# Altium PCB 键盘 - 俊杰.PcbDoc (part 1 of 4)
Units mil, origin at the board's own origin, x right, y up, seen from the top; angles counter-clockwise.
Board outline 17460 x 5880 mil, 2 copper layers (Top Layer, Bottom Layer); 278 components, 283 nets, 1577 pads, 1412 vias.
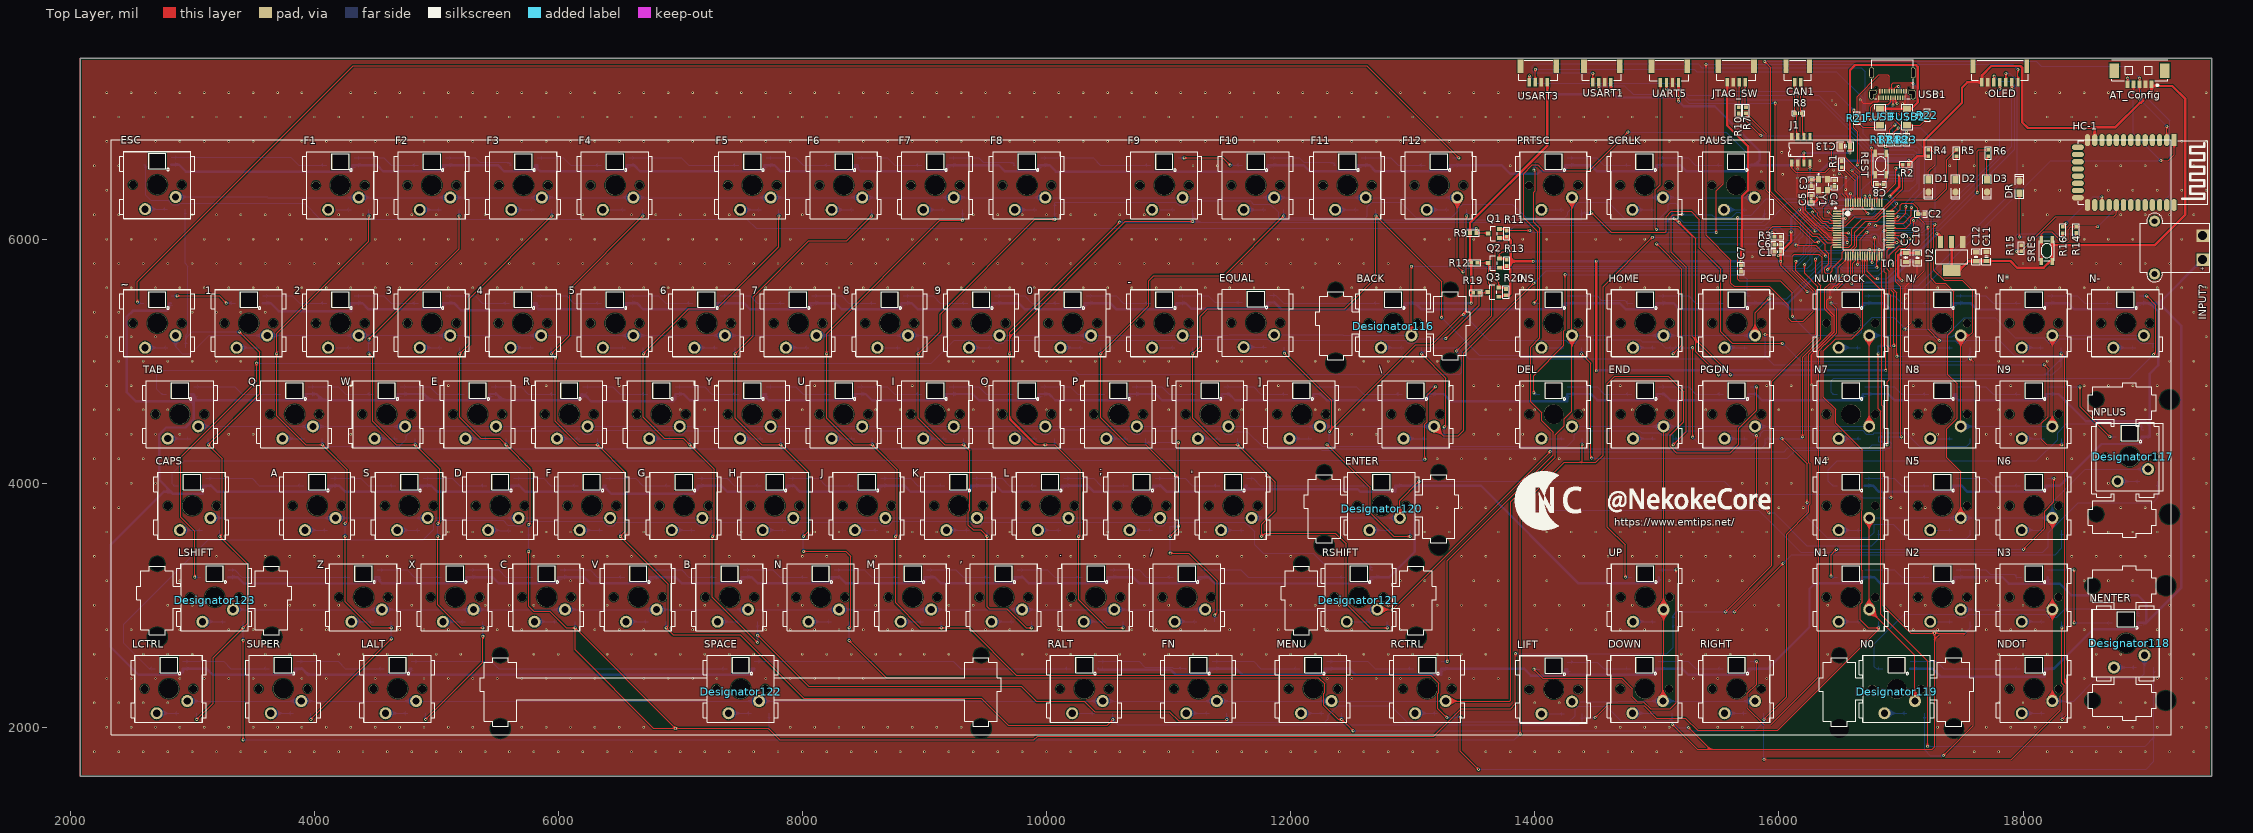
[diagram p0: Top Layer view]
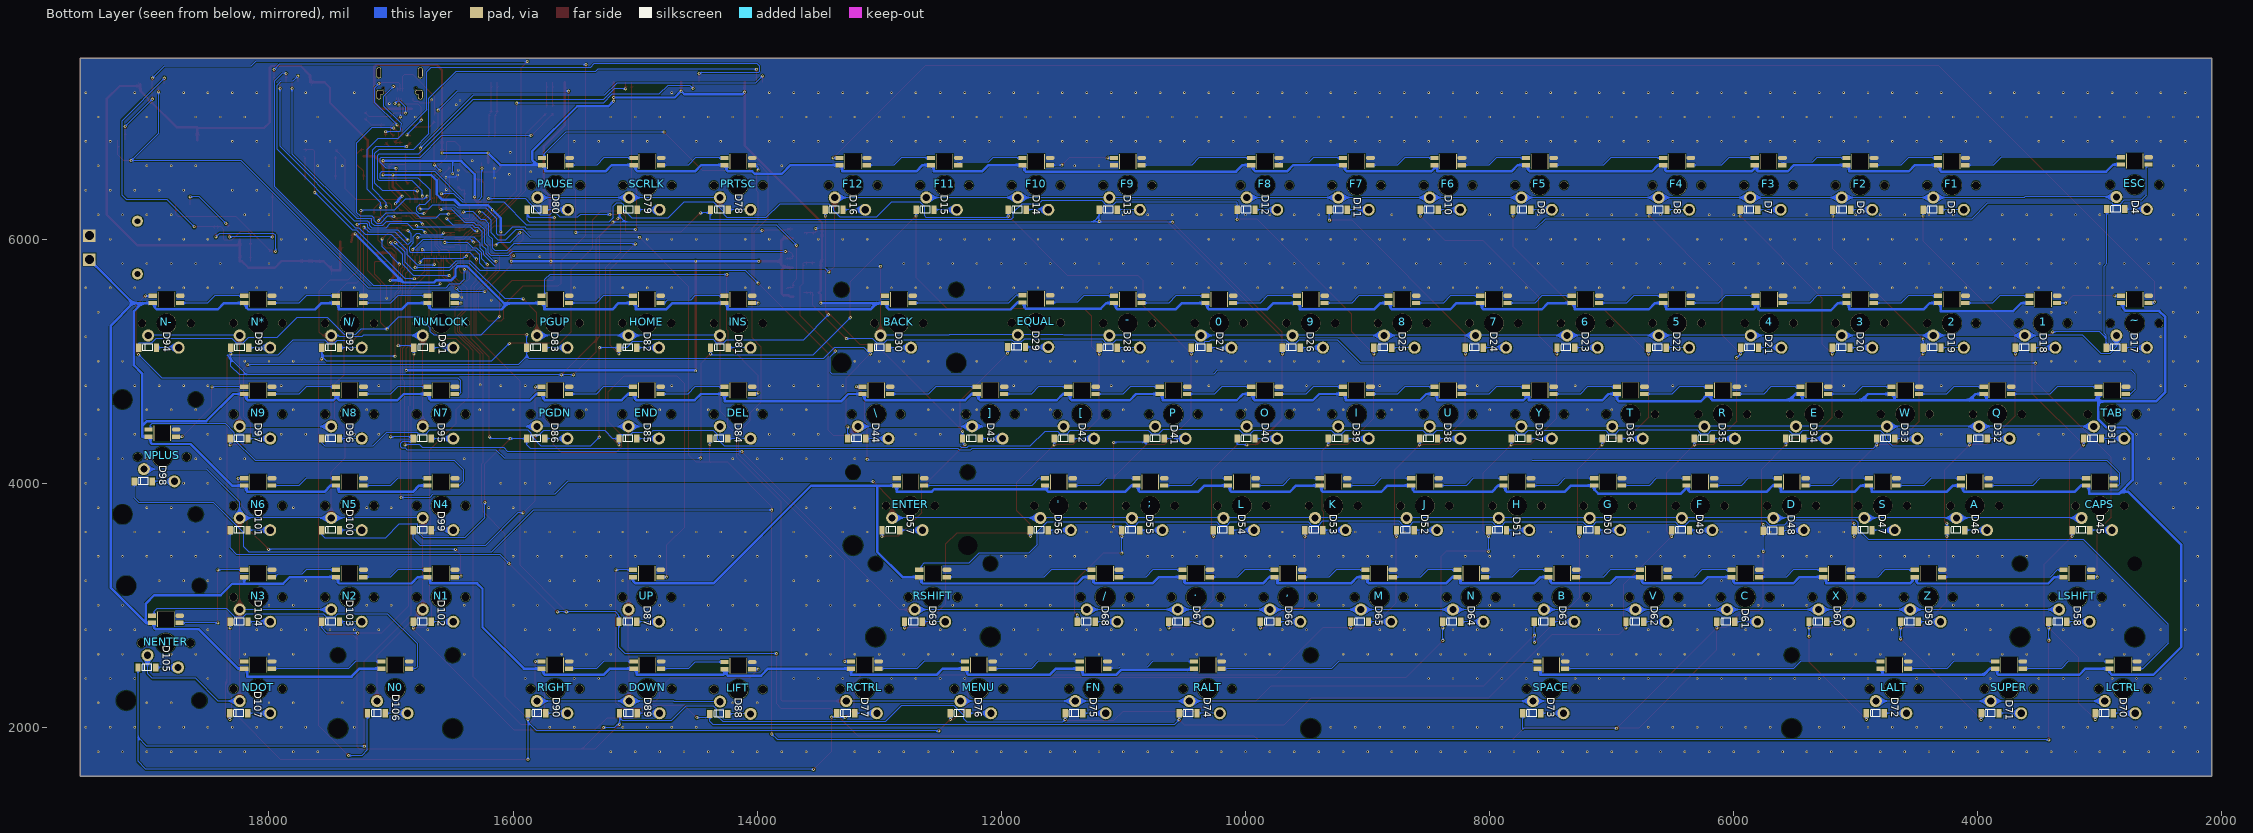
[diagram p1: Bottom Layer view, seen from below]

## Layer stack, top to bottom
Top Solder: solder mask 0.4, Solder Resist, Dk 3.5
Top Layer: signal copper 1.4
Dielectric 1: dielectric 12.6, FR-4, Dk 4.8
Bottom Layer: signal copper 1.4
Bottom Solder: solder mask 0.4, Solder Resist, Dk 3.5

## Board outline
2085,1600 2085,7480 19545,7480 19545,1600

## Design rules (kind name [scope] priority, off if disabled: settings)
Clearance [All] p1: gap=6
HoleSize [All] p1: absolutevalues=TRUE maxlimit=1000 minlimit=1 maxpercent=80.000 minpercent=20.000
HoleToHoleClearance [All] p1: gap=0 allowstackedmicrovias=TRUE
MinimumSolderMaskSliver [All] p1: minsoldermaskwidth=0
PolygonConnect [All] p1: connectstyle=Direct reliefconductorwidth=10 reliefentries=4 polygonreliefangle="90 Angle" airgapwidth=10
RoutingVias [All] p1: holewidth=12.01 width=24.02 viastyle="Through Hole" minholewidth=12.01 minwidth=24.02 maxholewidth=50 maxwidth=50 viatemplateguid#1={4AA300DE-D677-4466-8051-0518374BE832} viatemplatename#1=v61h30
SilkToSilkClearance [All] p1: silktosilkclearance=0
SilkToSolderMaskClearance [IsPad] p1: minsilkscreentomaskgap=0 clearancetoexposedcopper=TRUE
SolderMaskExpansion [All] p1: expansion=4
Width Width_2 [InNet('L_VCC')] p1: maxlimit=20 minlimit=20 preferedwidth=20
Width Width_1 [InNet('VCC3V3')] p2: maxlimit=20 minlimit=10 preferedwidth=20
Width [All] p3: maxlimit=10 minlimit=10 preferedwidth=10
25 further rules are at their usual default settings.

## Classes and differential pairs
component class 主板: C1 C2 C3 C4 C5 C6 C7 C8 C9 C10 C11 C12 C13 CAN1 D1 D2 D3 INPUT? J1 JTAG_SW OLED Q1 Q2 Q3 R1 R2 R3 R4 R5 R6 R7 R8 R9 R10 R11 R12 R13 R19 R20 RES REST U1 U2 UART5 USART1 USART3 Y1
component class 蓝牙和数据: AT_Config DR FUSB FUSB2 HC-1 R14 R15 R16 R17 R18 R21 R22 R23 R24 SRES USB1
component class 键盘扫描: 0 1 2 3 4 5 6 7 8 9 ' , - . / ; [ \ ] A B BACK C CAPS D D4 D5 D6 D7 D8 D9 D10 D11 D12 D13 D14 D15 D16 D17 D18 D19 D20 D21 D22 D23 D24 D25 D26 D27 D28 D29 D30 D31 D32 D33 D34 D35 D36 D37 D38 D39 D40 D41 D42 D43 D44 D45 D46 D47 D48 D49 D50 D51 D52 D53 D54 D55 D56 D57 D58 D59 D60 D61 D62 D63 D64 D65 D66 D67 D68 D69 D70 D71 D72 D73 D74 D75 D76 D77 D78 D79 D80 D81 D82 D83 D84 D85 D86 D87 D88 D89 D90 D91 D92 D93 D94 D95 D96 D97 D98 D99 D100 D101 D102 D103 D104 D105 D106 D107 DEL DOWN E END ENTER EQUAL ESC F F1 F2 F3 F4 F5 F6 F7 F8 F9 F10 F11 F12 FN G H HOME I INS J K L LALT LCTRL LIFT LSHIFT M MENU N N0 N1 N2 N3 N4 N5 N6 N7 N8 N9 N* N- N/ NDOT NENTER NPLUS NUMLOCK O P PAUSE PGDN PGUP PRTSC Q R RALT RCTRL RIGHT RSHIFT S SCRLK SPACE SUPER T TAB U UP V W X Y Z ~

## Components (designator, comment, footprint, x,y, rotation, side; value= is the part's Value field where it differs from the comment)
0 "Comment" MX_SW-1 10215,5310 r0 top locked
1 "Comment" MX_SW-1 3465,5310 r0 top locked
2 "Comment" MX_SW-1 4215,5310 r0 top locked
3 "Comment" MX_SW-1 4965,5310 r0 top locked
4 "Comment" MX_SW-1 5710,5310 r0 top locked
5 "Comment" MX_SW-1 6465,5310 r0 top locked
6 "Comment" MX_SW-1 7215,5310 r0 top locked
7 "Comment" MX_SW-1 7965,5310 r0 top locked
8 "Comment" MX_SW-1 8715,5310 r0 top locked
9 "Comment" MX_SW-1 9465,5310 r0 top locked
' "Comment" MX_SW-1 11530,3815 r0 top locked
, "Comment" MX_SW-1 9650,3065 r0 top locked
- "Comment" MX_SW-1 10965,5310 r0 top locked
. "Comment" MX_SW-1 10405,3065 r0 top locked
/ "Comment" MX_SW-1 11150,3065 r0 top locked
; "Comment" MX_SW-1 10780,3815 r0 top locked
[ "Comment" MX_SW-1 11340,4565 r0 top locked
\ "Comment" MX_SW-1 13025,4565 r0 top locked
] "Comment" MX_SW-1 12090,4565 r0 top locked
A "Comment" MX_SW-1 4025,3815 r0 top locked
AT_Config "HDR1x4" "MX 1.25-WS-5P" 18955,7380 r180 top
B "Comment" MX_SW-1 7405,3065 r0 top locked
BACK "Comment" MX_SW-1 12840,5310 r0 top locked
C "Comment" MX_SW-1 5905,3065 r0 top locked
C1 "C 0603_L" "C 0603_L" 15989.41,5895 r180 top
C2 "C 0603_L" "C 0603_L" 17165,6205 r0 top
C3 "C 0603_L" "C 0603_L" 16265,6460 r270 top
C4 "C 0603_L" "C 0603_L" 16455,6455.59 r270 top
C5 "C 0603_L" "C 0603_L" 16265,6330.59 r90 top
C6 "C 0603_L" "C 0603_L" 15990,5955 r0 top
C7 "C 0603_L" "C 0603_L" 15690,5760 r270 top
C8 "C 0603_L" "C 0603_L" 16830,6450 r180 top
C9 "C 0805_L" "C 0805_L" 17040,5850 r90 top
C10 "C 0805_L" "C 0805_L" 17135,5847.4 r90 top
C11 "C 0805_L" "C 0805_L" 17700,5857.6 r270 top
C12 "C 0805_L" "C 0805_L" 17615,5855 r270 top
C13 "C 0805_L" "C 0805_L" 16545,6760 r180 top
CAN1 "HDR1x2" GH1.25-立贴-2P 16179.21,7285 r180 top
CAPS "Comment" MX_SW-1 3000,3815 r0 top locked
D "Comment" MX_SW-1 5525,3815 r0 top locked
D1 "LED" "LED 0805R" 17225,6435 r270 top
D2 "LED" "LED 0805R" 17447.5,6435 r270 top
D3 "LED" "LED 0805R" 17705,6435 r270 top
D4 "LL4148" LL-34_L3.7-W1.6-RD 2870,6245 r180 bottom locked
D5 "LL4148" LL-34_L3.7-W1.6-RD 4375,6240 r180 bottom locked
D6 "LL4148" LL-34_L3.7-W1.6-RD 5115,6240 r180 bottom locked
D7 "LL4148" LL-34_L3.7-W1.6-RD 5875,6240 r180 bottom locked
D8 "LL4148" LL-34_L3.7-W1.6-RD 6620,6240 r180 bottom locked
D9 "LL4148" LL-34_L3.7-W1.6-RD 7735,6240 r180 bottom locked
D10 "LL4148" LL-34_L3.7-W1.6-RD 8495,6240 r180 bottom locked
D11 "LL4148" LL-34_L3.7-W1.6-RD 9240,6240 r180 bottom locked
D12 "LL4148" LL-34_L3.7-W1.6-RD 9995,6240 r180 bottom locked
D13 "LL4148" LL-34_L3.7-W1.6-RD 11125,6240 r180 bottom locked
D14 "LL4148" LL-34_L3.7-W1.6-RD 11870,6240 r180 bottom locked
D15 "LL4148" LL-34_L3.7-W1.6-RD 12625,6240 r180 bottom locked
D16 "LL4148" LL-34_L3.7-W1.6-RD 13370,6240 r180 bottom locked
D17 "LL4148" LL-34_L3.7-W1.6-RD 2875,5110 r180 bottom locked
D18 "LL4148" LL-34_L3.7-W1.6-RD 3620,5110 r180 bottom locked
D19 "LL4148" LL-34_L3.7-W1.6-RD 4375,5110 r180 bottom locked
D20 "LL4148" LL-34_L3.7-W1.6-RD 5120,5110 r180 bottom locked
D21 "LL4148" LL-34_L3.7-W1.6-RD 5870,5110 r180 bottom locked
D22 "LL4148" LL-34_L3.7-W1.6-RD 6625,5110 r180 bottom locked
D23 "LL4148" LL-34_L3.7-W1.6-RD 7375,5110 r180 bottom locked
D24 "LL4148" LL-34_L3.7-W1.6-RD 8125,5110 r180 bottom locked
D25 "LL4148" LL-34_L3.7-W1.6-RD 8875,5110 r180 bottom locked
D26 "LL4148" LL-34_L3.7-W1.6-RD 9625,5110 r180 bottom locked
D27 "LL4148" LL-34_L3.7-W1.6-RD 10370,5110 r180 bottom locked
D28 "LL4148" LL-34_L3.7-W1.6-RD 11125,5110 r180 bottom locked
D29 "LL4148" LL-34_L3.7-W1.6-RD 11875,5115 r180 bottom locked
D30 "LL4148" LL-34_L3.7-W1.6-RD 13000,5110 r180 bottom locked
D31 "LL4148" LL-34_L3.7-W1.6-RD 3060,4365 r180 bottom locked
D32 "LL4148" LL-34_L3.7-W1.6-RD 3995,4365 r180 bottom locked
D33 "LL4148" LL-34_L3.7-W1.6-RD 4755,4365 r180 bottom locked
D34 "LL4148" LL-34_L3.7-W1.6-RD 5500,4365 r180 bottom locked
D35 "LL4148" LL-34_L3.7-W1.6-RD 6250,4365 r180 bottom locked
D36 "LL4148" LL-34_L3.7-W1.6-RD 7005,4365 r180 bottom locked
D37 "LL4148" LL-34_L3.7-W1.6-RD 7750,4365 r180 bottom locked
D38 "LL4148" LL-34_L3.7-W1.6-RD 8500,4365 r180 bottom locked
D39 "LL4148" LL-34_L3.7-W1.6-RD 9250,4365 r180 bottom locked
D40 "LL4148" LL-34_L3.7-W1.6-RD 9995,4365 r180 bottom locked
D41 "LL4148" LL-34_L3.7-W1.6-RD 10740,4365 r180 bottom locked
D42 "LL4148" LL-34_L3.7-W1.6-RD 11495,4365 r180 bottom locked
D43 "LL4148" LL-34_L3.7-W1.6-RD 12245,4365 r180 bottom locked
D44 "LL4148" LL-34_L3.7-W1.6-RD 13185,4365 r180 bottom locked
D45 "LL4148" LL-34_L3.7-W1.6-RD 3155,3615 r180 bottom locked
D46 "LL4148" LL-34_L3.7-W1.6-RD 4180,3615 r180 bottom locked
D47 "LL4148" LL-34_L3.7-W1.6-RD 4940,3615 r180 bottom locked
D48 "LL4148" LL-34_L3.7-W1.6-RD 5685,3610 r180 bottom locked
D49 "LL4148" LL-34_L3.7-W1.6-RD 6435,3615 r180 bottom locked
D50 "LL4148" LL-34_L3.7-W1.6-RD 7190,3615 r180 bottom locked
D51 "LL4148" LL-34_L3.7-W1.6-RD 7935,3615 r180 bottom locked
D52 "LL4148" LL-34_L3.7-W1.6-RD 8690,3615 r180 bottom locked
D53 "LL4148" LL-34_L3.7-W1.6-RD 9440,3615 r180 bottom locked
D54 "LL4148" LL-34_L3.7-W1.6-RD 10190,3615 r180 bottom locked
D55 "LL4148" LL-34_L3.7-W1.6-RD 10940,3615 r180 bottom locked
D56 "LL4148" LL-34_L3.7-W1.6-RD 11690,3615 r180 bottom locked
D57 "LL4148" LL-34_L3.7-W1.6-RD 12905,3615 r180 bottom locked
D58 "LL4148" LL-34_L3.7-W1.6-RD 3345,2865 r180 bottom locked
D59 "LL4148" LL-34_L3.7-W1.6-RD 4560,2865 r180 bottom locked
D60 "LL4148" LL-34_L3.7-W1.6-RD 5310,2865 r180 bottom locked
D61 "LL4148" LL-34_L3.7-W1.6-RD 6065,2865 r180 bottom locked
D62 "LL4148" LL-34_L3.7-W1.6-RD 6810,2865 r180 bottom locked
D63 "LL4148" LL-34_L3.7-W1.6-RD 7560,2865 r180 bottom locked
D64 "LL4148" LL-34_L3.7-W1.6-RD 8310,2865 r180 bottom locked
D65 "LL4148" LL-34_L3.7-W1.6-RD 9065,2865 r180 bottom locked
D66 "LL4148" LL-34_L3.7-W1.6-RD 9805,2865 r180 bottom locked
D67 "LL4148" LL-34_L3.7-W1.6-RD 10555,2865 r180 bottom locked
D68 "LL4148" LL-34_L3.7-W1.6-RD 11305,2865 r180 bottom locked
D69 "LL4148" LL-34_L3.7-W1.6-RD 12720,2865 r180 bottom locked
D70 "LL4148" LL-34_L3.7-W1.6-RD 2965,2115 r180 bottom locked
D71 "LL4148" LL-34_L3.7-W1.6-RD 3900,2115 r180 bottom locked
D72 "LL4148" LL-34_L3.7-W1.6-RD 4840,2115 r180 bottom locked
D73 "LL4148" LL-34_L3.7-W1.6-RD 7655,2115 r180 bottom locked
D74 "LL4148" LL-34_L3.7-W1.6-RD 10470,2115 r180 bottom locked
D75 "LL4148" LL-34_L3.7-W1.6-RD 11405,2115 r180 bottom locked
D76 "LL4148" LL-34_L3.7-W1.6-RD 12345,2115 r180 bottom locked
D77 "LL4148" LL-34_L3.7-W1.6-RD 13275,2115 r180 bottom locked
D78 "LL4148" LL-34_L3.7-W1.6-RD 14310,6240 r180 bottom locked
D79 "LL4148" LL-34_L3.7-W1.6-RD 15055,6240 r180 bottom locked
D80 "LL4148" LL-34_L3.7-W1.6-RD 15810,6240 r180 bottom locked
D81 "LL4148" LL-34_L3.7-W1.6-RD 14310,5110 r180 bottom locked
D82 "LL4148" LL-34_L3.7-W1.6-RD 15060,5110 r180 bottom locked
D83 "LL4148" LL-34_L3.7-W1.6-RD 15815,5110 r180 bottom locked
D84 "LL4148" LL-34_L3.7-W1.6-RD 14315,4365 r180 bottom locked
D85 "LL4148" LL-34_L3.7-W1.6-RD 15060,4365 r180 bottom locked
D86 "LL4148" LL-34_L3.7-W1.6-RD 15815,4365 r180 bottom locked
D87 "LL4148" LL-34_L3.7-W1.6-RD 15060,2865 r180 bottom locked
D88 "LL4148" LL-34_L3.7-W1.6-RD 14315,2110 r180 bottom locked
D89 "LL4148" LL-34_L3.7-W1.6-RD 15055,2115 r180 bottom locked
D90 "LL4148" LL-34_L3.7-W1.6-RD 15805,2115 r180 bottom locked
D91 "LL4148" LL-34_L3.7-W1.6-RD 16740,5110 r180 bottom locked
D92 "LL4148" LL-34_L3.7-W1.6-RD 17495,5110 r180 bottom locked
D93 "LL4148" LL-34_L3.7-W1.6-RD 18240,5110 r180 bottom locked
D94 "LL4148" LL-34_L3.7-W1.6-RD 18995,5110 r180 bottom locked
D95 "LL4148" LL-34_L3.7-W1.6-RD 16745,4365 r180 bottom locked
D96 "LL4148" LL-34_L3.7-W1.6-RD 17495,4365 r180 bottom locked
D97 "LL4148" LL-34_L3.7-W1.6-RD 18245,4365 r180 bottom locked
D98 "LL4148" LL-34_L3.7-W1.6-RD 19030,4015 r180 bottom locked (schematic designator D99)
D99 "LL4148" LL-34_L3.7-W1.6-RD 16745,3615 r180 bottom locked (schematic designator D100)
D100 "LL4148" LL-34_L3.7-W1.6-RD 17495,3615 r180 bottom locked (schematic designator D101)
D101 "LL4148" LL-34_L3.7-W1.6-RD 18245,3615 r180 bottom locked (schematic designator D102)
D102 "LL4148" LL-34_L3.7-W1.6-RD 16745,2865 r180 bottom locked (schematic designator D103)
D103 "LL4148" LL-34_L3.7-W1.6-RD 17495,2865 r180 bottom locked (schematic designator D104)
D104 "LL4148" LL-34_L3.7-W1.6-RD 18245,2865 r180 bottom locked (schematic designator D105)
D105 "LL4148" LL-34_L3.7-W1.6-RD 19000,2490 r180 bottom locked (schematic designator D106)
D106 "LL4148" LL-34_L3.7-W1.6-RD 17120,2115 r180 bottom locked (schematic designator D98)
D107 "LL4148" LL-34_L3.7-W1.6-RD 18248,2115 r180 bottom locked
DEL "Comment" MX_SW-1 14155,4565 r0 top locked
Designator116 "Comment" 卫星轴 12840,5310 r0 top locked
Designator117 "Comment" 卫星轴 18875,4215 r90 top locked
Designator118 "Comment" 卫星轴 18845,2690 r90 top locked
Designator119 "Comment" 卫星轴 16965,2315 r0 top locked
Designator120 "Comment" 卫星轴 12745,3815 r0 top locked
Designator121 "Comment" 卫星轴 12560,3065 r0 top locked
Designator122 "Comment" 空格卫星轴 7495,2315 r0 top locked
Designator123 "Comment" 卫星轴 3185,3065 r0 top
DOWN "Comment" MX_SW-1 14900,2315 r0 top locked
DR "LED" "LED 0805R" 17970,6425 r90 top
E "Comment" MX_SW-1 5340,4565 r0 top locked
END "Comment" MX_SW-1 14905,4565 r0 top locked
ENTER "Comment" MX_SW-1 12745,3815 r0 top locked
EQUAL "MX_SW" MX_SW-1 11715,5315 r0 top locked (schematic designator =)
ESC "Comment" MX_SW-1 2715,6445 r0 top locked
F "Comment" MX_SW-1 6275,3815 r0 top locked
F1 "Comment" MX_SW-1 4215,6440 r0 top locked
F2 "Comment" MX_SW-1 4965,6440 r0 top locked
F3 "Comment" MX_SW-1 5715,6440 r0 top locked
F4 "Comment" MX_SW-1 6465,6440 r0 top locked
F5 "Comment" MX_SW-1 7590,6440 r0 top locked
F6 "Comment" MX_SW-1 8340,6440 r0 top locked
F7 "Comment" MX_SW-1 9090,6440 r0 top locked
F8 "Comment" MX_SW-1 9840,6440 r0 top locked
F9 "Comment" MX_SW-1 10965,6440 r0 top locked
F10 "Comment" MX_SW-1 11715,6440 r0 top locked
F11 "Comment" MX_SW-1 12465,6440 r0 top locked
F12 "Comment" MX_SW-1 13215,6440 r0 top locked
FN "Comment" MX_SW-1 11245,2315 r0 top locked
FUSB "保险丝" "FU 1206" 16830,7000 r270 top
FUSB2 "保险丝" "FU 1206" 17050,7000 r90 top
G "Comment" MX_SW-1 7030,3815 r0 top locked
H "Comment" MX_SW-1 7775,3815 r0 top locked
HC-1 "HC-04-HID" HC-04 18985,6545 r270 top
HOME "Comment" MX_SW-1 14905,5310 r0 top locked
I "Comment" MX_SW-1 9090,4565 r0 top locked
INPUT? "XT30" XT30PW-M 19275,5930 r270 top
INS "Comment" MX_SW-1 14155,5310 r0 top locked
J "Comment" MX_SW-1 8530,3815 r0 top locked
J1 "TJA1050T/CM,118" SOIC-8_150MIL 16105,6623.46 r90 top
JTAG_SW "HDR1x4" GH1.25-立贴-4P 15724.21,7285 r180 top
K "Comment" MX_SW-1 9280,3815 r0 top locked
L "Comment" MX_SW-1 10030,3815 r0 top locked
LALT "Comment" MX_SW-1 4685,2315 r0 top locked
LCTRL "Comment" MX_SW-1 2810,2315 r0 top locked
LIFT "MX_SW" MX_SW-1 14155,2310 r0 top locked
LSHIFT "Comment" MX_SW-1 3185,3065 r0 top locked
M "Comment" MX_SW-1 8905,3065 r0 top locked
MENU "Comment" MX_SW-1 12185,2315 r0 top locked
N "Comment" MX_SW-1 8150,3065 r0 top locked
N0 "Comment" MX_SW-1 16965,2315 r0 top locked
N1 "Comment" MX_SW-1 16590,3065 r0 top locked
N2 "Comment" MX_SW-1 17340,3065 r0 top locked
N3 "Comment" MX_SW-1 18090,3065 r0 top locked
N4 "Comment" MX_SW-1 16590,3815 r0 top locked
N5 "Comment" MX_SW-1 17340,3815 r0 top locked
N6 "Comment" MX_SW-1 18090,3815 r0 top locked
N7 "Comment" MX_SW-1 16590,4565 r0 top locked
N8 "Comment" MX_SW-1 17340,4565 r0 top locked
N9 "Comment" MX_SW-1 18090,4565 r0 top locked
N* "Comment" MX_SW-1 18090,5310 r0 top locked
N- "Comment" MX_SW-1 18840,5310 r0 top locked
N/ "Comment" MX_SW-1 17340,5310 r0 top locked
NDOT "Comment" MX_SW-1 18090,2315 r0 top locked
NENTER "Comment" MX_SW-1 18845,2690 r0 top locked
NPLUS "Comment" MX_SW-1 18875,4215 r0 top locked
NUMLOCK "Comment" MX_SW-1 16590,5310 r0 top locked
O "Comment" MX_SW-1 9840,4565 r0 top locked
OLED "HDR1x7" GH1.25-立贴-7P 17958.42,7285 r180 top
P "Comment" MX_SW-1 10590,4565 r0 top locked
PAUSE "Comment" MX_SW-1 15650,6440 r0 top locked
PGDN "Comment" MX_SW-1 15655,4565 r0 top locked
PGUP "Comment" MX_SW-1 15655,5310 r0 top locked
PRTSC "Comment" MX_SW-1 14155,6440 r0 top locked
Q "Comment" MX_SW-1 3840,4565 r0 top locked
Q1 "AO3400A" AO3400A 13665,6045 r0 top
Q2 "AO3400A" AO3400A 13664.72,5802.6 r0 top
Q3 "AO3400A" AO3400A 13660,5565 r0 top
R "Comment" MX_SW-1 6090,4565 r0 top locked
R1 "R 0603_L" "R 0603_L" 16515,6614.41 r90 top
R2 "R 0603_L" "R 0603_L" 17039.41,6610 r180 top
R3 "R 0603_L" "R 0603_L" 15990,6020 r0 top
R4 "R 0603_L" "R 0603_L" 17225,6705 r270 top
R5 "R 0603_L" "R 0603_L" 17455,6705 r90 top
R6 "R 0603_L" "R 0603_L" 17715,6705 r90 top
R7 "R 0603_L" "R 0603_L" 15730,7055 r270 top
R8 "R 0603_P" 0603P 16160,7030 r180 top
R9 "R 0603_L" "R 0603_L" 13495,6050 r180 top
R10 "R 0603_L" "R 0603_L" 15670,7054.41 r270 top
R11 "R 0603_L" "R 0603_L" 13770,6045 r270 top
R12 "R 0603_L" "R 0603_L" 13505,5805 r180 top
R13 "R 0603_L" "R 0603_L" 13770,5805 r270 top
R14 "R603_L" "R 0603_L" 18435,6075 r90 top
R15 "R603_L" "R 0603_L" 17985,5925 r90 top
R16 "R603_L" "R 0603_L" 18325,6074.41 r270 top
R17 "R 0603_L" "R 0603_L" 16840,6815 r90 top
R18 "R 0603_L" "R 0603_L" 16975,6815 r90 top
R19 "R 0603_L" "R 0603_L" 13520.59,5560 r180 top
R20 "R 0603_L" "R 0603_L" 13765,5565 r270 top
R21 "R 0603_L" "R 0603_L" 16640,6990.59 r90 top
R22 "R 0603_L" "R 0603_L" 17215,7015 r270 top
R23 "R 0603_L" "R 0603_L" 17045,6815 r90 top
R24 "R 0603_L" "R 0603_L" 16910,6815.59 r90 top
RALT "Comment" MX_SW-1 10310,2315 r0 top locked
RCTRL "MX_SW" MX_SW-1 13120,2315 r0 top locked
REST "SW-PB" SMD-3.2*4.2 16835,6615 r270 top
RIGHT "Comment" MX_SW-1 15655,2315 r0 top locked
RSHIFT "Comment" MX_SW-1 12560,3065 r0 top locked
S "Comment" MX_SW-1 4780,3815 r0 top locked
SCRLK "Comment" MX_SW-1 14900,6440 r0 top locked
SPACE "Comment" MX_SW-1 7495,2315 r0 top locked
SRES "SW-PB" SMD-3.2*4.2 18195,5905 r90 top
SUPER "Comment" MX_SW-1 3745,2315 r0 top locked
T "Comment" MX_SW-1 6845,4565 r0 top locked
TAB "Comment" MX_SW-1 2900,4565 r0 top locked
U "Comment" MX_SW-1 8340,4565 r0 top locked
U1 "STM32F405RGT6" STM32F405RGT6 16700,6090 r0 top
U2 "SPX1117M3-L-3-3" SPX1117M3-L-3-3/TR 17415,5860 r90 top
UART5 "HDR1x4" GH1.25-立贴-4P 15177.17,7283.11 r180 top
UP "Comment" MX_SW-1 14905,3065 r0 top locked
USART1 "HDR1x4" GH1.25-立贴-4P 14623.43,7285 r180 top
USART3 "HDR1x4" GH1.25-立贴-4P 14103.43,7285 r180 top
USB1 "TYPE-C 24P QT" USB-C-SMD_TYPE-C-24P-QT 16930,7260 r180 top
V "Comment" MX_SW-1 6655,3065 r0 top locked
W "Comment" MX_SW-1 4595,4565 r0 top locked
X "Comment" MX_SW-1 5155,3065 r0 top locked
Y "Comment" MX_SW-1 7590,4565 r0 top locked
Y1 "12MHZ" SMD-3225_4P 16325,6490.55 r270 top
Z "Comment" MX_SW-1 4405,3065 r0 top locked
~ "Comment" MX_SW-1 2715,5310 r0 top locked

## Footprints (in the part's own frame and the unit in brackets; to place one, negate y for a bottom-side part, rotate by r counter-clockwise, add the part's x,y. Pads: shape width x height; smd on the part's side, far side on the other; paste and mask are expansions set on the pad)
0603P [mil]
  rect 30x30 smd: 1(-27,0) 2(27.5,-0.06)
  silkscreen extent -50,-20 50,20
AO3400A [mm] "SOT-23_L2.9-W1.3-P1.90-LS2.4-BR"
  rect 1x0.8 smd mask+0.051: 1(1.15,-0.95) 2(1.15,0.95) 3(-1.15,0)
  silkscreen extent -0.7,-1.5 0.7,1.5, body extent -1.5,-1.55 1.5,1.55, height 1.25
"C 0603_L" [mil] "无极性贴片电容                                       淘宝ID:黄晶宝石"
  rect 30x30 smd: 1(-25.59,0) 2(25.59,0)
  silkscreen extent -51,-26 51,26, body extent -31,-16 31,16, height 32
"C 0805_L" [mil] "无极性贴片电容                                        淘宝ID:黄晶宝石"
  rect 35x50 smd: 1(-37.4,0) 2(37.4,0)
  silkscreen extent -67,-36 67,36, body extent -39,-24 39,24, height 20
"FU 1206" [mil] "贴片保险丝"
  rect 50x65 smd: 1(-67.5,0) 2(67.5,0)
  silkscreen extent -105,-45 105,45, body extent -63,-32 63,32, height 34
GH1.25-立贴-2P [mm]
  rect 1x2.8 smd: 0(-1.85,-3.35) 0(3.1,-3.35)
  rect 0.7x1.8 smd: 1(0,0) 2(1.25,0)
  silkscreen extent -2.16,-4.57 3.43,-0.38, body extent -3.19,-4.33 4.46,-0.23, height 4.7
GH1.25-立贴-4P [mm]
  rect 1.2x2.8 smd: 0(-1.85,-3.35) 0(5.6,-3.35)
  rect 0.7x1.8 smd: 1(0,0) 2(1.25,0) 3(2.5,0) 4(3.75,0)
  silkscreen extent -2.16,-4.57 5.97,-0.38, body extent -3.23,-4.08 6.92,0.02, height 4.7
GH1.25-立贴-7P [mm]
  rect 1x2.8 smd: 0(-1.85,-3.35) 0(9.35,-3.35)
  rect 0.7x1.8 smd: 1(0,0) 2(1.25,0) 3(2.5,0) 4(3.75,0) 5(5,0) 6(6.25,0) 7(7.5,0)
  silkscreen extent -2.16,-4.57 9.65,-0.38, body extent -3.2,-4.14 10.7,-0.04, height 4.7
HC-04 [mm] "串口蓝牙模块"
  rect 2.5x1.1 smd: 1(-6.75,6.403)
  oval 2.5x1.1 smd: 2(-6.75,4.903) 3(-6.75,3.403) 4(-6.75,1.903) 5(-6.75,0.403) 6(-6.75,-1.097) 7(-6.75,-2.597) 8(-6.75,-4.097) 9(-6.75,-5.597) 10(-6.75,-7.097) 11(-6.75,-8.597) 12(-6.75,-10.097) 13(-6.75,-11.597) 22(6.75,-11.597) 23(6.75,-10.097) 24(6.75,-8.597) 25(6.75,-7.097) 26(6.75,-5.597) 27(6.75,-4.097) 28(6.75,-2.597) 29(6.75,-1.097) 30(6.75,0.403) 31(6.75,1.903) 32(6.75,3.403) 33(6.75,4.903) 34(6.75,6.403)
  oval 1.1x2.5 smd: 14(-5.25,-13.597) 15(-3.75,-13.597) 16(-2.25,-13.597) 17(-0.75,-13.597) 18(0.75,-13.597) 19(2.25,-13.597) 20(3.75,-13.597) 21(5.25,-13.597)
  silkscreen extent -6.65,-13.49 6.64,13.46, body extent -6.52,-13.37 6.52,13.35, height 2.46
"LED 0805R" [mil] "红色0805LED                                       淘宝ID:黄晶宝石"
  rect 60x50 smd: 1(-50,0)
  oct 60x50 smd: 2(50,0)
  silkscreen extent -90,-35 105,35, body extent -39,-25 39,25, height 32
LL-34_L3.7-W1.6-RD [mil]
  rect 44x67 smd: 1(73,0) 2(-73,0)
  silkscreen extent -39,-27 41,28, body extent -68,-29 78,34, height 63
"MX 1.25-WS-5P" [mm] "长：11.4mm，宽：4.2mm，高：3.4mm"
  rect 2x3 smd: 0(-5.257,0) 0(5.257,0)
  rect 0.8x1.6 smd: 1(-2.514,2.811) 2(-1.264,2.811) 3(-0.014,2.811) 4(1.236,2.811) 5(2.486,2.811)
  silkscreen extent -5.86,-2.23 5.83,3.25, body extent -5.7,-2.1 5.7,3.09, height 3.4
MX_SW-1 [mm] "with Fixation pins  1-Pole w/Diode"
  round 2.5 hole 1.5: 1(3.81,-2.54) 2(-2.54,-5.08)
  rect 1.7x0.9 smd far side: 3(2.85,4.203) 4(2.85,5.703) 6(-2.85,4.203)
  oct 1.8x0.9 smd far side: 5(-2.9,5.703)
  round 1.702 hole 1.702: ""(-5.08,0) ""(5.08,0)
  round 4.064 hole 4.064: ""(0,0)
  rect 3.6x3.2 hole 3.2 square: ""(0,4.953)
  silkscreen extent -7,-7 7,7, body extent -7.85,-7.8 7.75,7.8, height 15.4
"R 0603_L" [mil] "1/10W贴片电阻                 淘宝ID:黄晶宝石"
  rect 30x30 smd: 1(-25.59,0) 2(25.59,0)
  silkscreen extent -51,-26 51,26, body extent -31,-16 32,16, height 16
SMD-3.2*4.2 [mm]
  rect 1.5x0.7 smd: 1(-2.25,1.125) 1(2.25,1.125) 2(-2.25,-1.125) 2(2.25,-1.125)
  silkscreen extent -2.1,-1.6 2.1,1.6, body extent -2.73,-1.6 2.47,1.58, height 1.8
SMD-3225_4P [mm]
  rect 1.3x1.05 smd: 1(0,0) 2(2.3,0) 3(2.3,1.85) 4(0,1.85)
  silkscreen extent -1.14,-0.33 2.74,2.17, body extent -0.46,-0.36 2.74,2.14, height 0.7
SOIC-8_150MIL [mm]
  rect 1.473x0.65 smd: 1(0,0) 2(0,-1.27) 3(0,-2.54) 4(0,-3.81) 5(5.5,-3.81) 6(5.5,-2.54) 7(5.5,-1.27) 8(5.5,0)
  silkscreen extent 1.35,-4.34 4.2,0.58, body extent -0.3,-4.34 5.7,0.56, height 1.7
SPX1117M3-L-3-3/TR [mm] "SOT-223-3_L6.5-W3.4-P2.30-LS7.0-BR"
  rect 2.5x1.1 smd mask+0.051: 1(2.97,-2.3) 2(2.97,0) 3(2.97,2.3)
  rect 2.34x3.6 smd mask+0.051: 4(-2.97,0)
  silkscreen extent -1.57,-3.33 1.37,3.33, body extent -3.65,-3.35 3.64,3.35, height 1.81
STM32F405RGT6 [mil] "LQFP-64_L10.0-W10.0-P0.50-LS12.0-BL"
  oval 70.7x11.02 smd: 1(-223.5,137.64) 2(-223.5,117.95) 3(-223.5,98.27) 4(-223.5,78.58) 5(-223.5,58.9) 6(-223.5,39.21) 7(-223.5,19.53) 8(-223.5,-0.16) 9(-223.5,-19.84) 10(-223.5,-39.53) 11(-223.5,-59.21) 12(-223.5,-78.9) 13(-223.5,-98.58) 14(-223.5,-118.27) 15(-223.5,-137.95) 16(-223.5,-157.64) 33(213.5,-157.64) 34(213.5,-137.95) 35(213.5,-118.27) 36(213.5,-98.58) 37(213.5,-78.9) 38(213.5,-59.21) 39(213.5,-39.53) 40(213.5,-19.84) 41(213.5,-0.16) 42(213.5,19.53) 43(213.5,39.21) 44(213.5,58.9) 45(213.5,78.58) 46(213.5,98.27) 47(213.5,117.95) 48(213.5,137.64)
  oval 11.02x70.7 smd: 17(-152.64,-228.5) 18(-132.95,-228.5) 19(-113.27,-228.5) 20(-93.58,-228.5) 21(-73.9,-228.5) 22(-54.21,-228.5) 23(-34.53,-228.5) 24(-14.84,-228.5) 25(4.84,-228.5) 26(24.53,-228.5) 27(44.21,-228.5) 28(63.9,-228.5) 29(83.58,-228.5) 30(103.27,-228.5) 31(122.95,-228.5) 32(142.64,-228.5) 49(142.64,208.5) 50(122.95,208.5) 51(103.27,208.5) 52(83.58,208.5) 53(63.9,208.5) 54(44.21,208.5) 55(24.53,208.5) 56(4.84,208.5) 57(-14.84,208.5) 58(-34.53,208.5) 59(-54.21,208.5) 60(-73.9,208.5) 61(-93.58,208.5) 62(-113.27,208.5) 63(-132.95,208.5) 64(-152.64,208.5)
  silkscreen extent -243,-177 162,169, body extent -237,-242 227,222, height 61
USB-C-SMD_TYPE-C-24P-QT [mm]
  oval 1x2 hole 0.6 slot 1.6 at 90 deg: 1(-4.32,1.963) 2(4.32,1.963)
  oval 1.5x1 hole 0.6 slot 1.2 at 0 deg: 1(-3.97,1.463) 2(3.97,1.463)
  oval 1x2.3 hole 0.6 slot 1.9 at 90 deg: 3(4.32,-2.587) 4(-4.32,-2.587)
  rect 0.3x0.95 smd: A1(-2.625,2.588) A2(-2.125,2.588) A3(-1.625,2.588) A4(-1.125,2.588) A5(-0.625,2.588) A6(-0.125,2.588) A7(0.375,2.588) A8(0.875,2.588) A9(1.375,2.588) A10(1.875,2.588) A11(2.375,2.588) A12(2.875,2.588) B1(2.625,1.288) B2(2.125,1.288) B3(1.625,1.288) B4(1.125,1.288) B5(0.625,1.288) B6(0.125,1.288) B7(-0.375,1.288) B8(-0.875,1.288) B9(-1.375,1.288) B10(-1.875,1.288) B11(-2.375,1.288) B12(-2.875,1.288)
  round 0.5 hole 0.5 unplated: ""(-3.4,0.613) ""(3.4,0.613)
  silkscreen extent -4.32,-5.29 4.32,2.79
XT30PW-M [mm]
  round 2.3 hole 1.2: 0(-5.5,-5) 0(5.5,-5)
  rect 2.6x2.6 hole 1.9: 1(-2.5,5) 2(2.5,5)
  silkscreen extent -7.18,-7.95 7.14,6.52, body extent -6.67,-7.95 6.63,6, height 5
卫星轴 [mil] "stab"
  round 0 hole 120: 0(-470,275) 3(470,275)
  round 0 hole 157: 1(-470,-325) 4(470,-325)
  body extent -599,-435 609,321, height 622
空格卫星轴 [mil] "stab"
  round 0 hole 120: 0(1970,275) 3(-1970,275)
  round 0 hole 157: 1(1970,-325) 4(-1970,-325)
  body extent -2103,-433 2104,328, height 461

## Part data
0 1 2 3 4 5 6 7 8 9 ' , - . / ; [ \ ] A B BACK C CAPS D DEL DOWN E END ENTER EQUAL ESC F F1 F2 F3 F4 F5 F6 F7 F8 F9 F10 F11 F12 FN G H HOME I INS J K L LALT LCTRL LIFT LSHIFT M MENU N N0 N1 N2 N3 N4 N5 N6 N7 N8 N9 N* N- N/ NDOT NENTER NPLUS NUMLOCK O P PAUSE PGDN PGUP PRTSC Q R RALT RCTRL RIGHT RSHIFT S SCRLK SPACE SUPER T TAB U UP V W X Y Z ~: library part MX_SW-1
AT_Config: library part HDR1x5_卧
C1 C2 C3 C4 C5 C6 C7 C8 C9 C10 C11 C12 C13: "Capacitor"
D1 D2 D3 DR: library part "LED 0805R 红", "Typical INFRARED GaAs LED"
D4 D5 D6 D7 D8 D9 D10 D11 D12 D13 D14 D15 D16 D17 D18 D19 D20 D21 D22 D23 D24 D25 D26 D27 D28 D29 D30 D31 D32 D33 D34 D35 D36 D37 D38 D39 D40 D41 D42 D43 D44 D45 D46 D47 D48 D49 D50 D51 D52 D53 D54 D55 D56 D57 D58 D59 D60 D61 D62 D63 D64 D65 D66 D67 D68 D69 D70 D71 D72 D73 D74 D75 D76 D77 D78 D79 D80 D81 D82 D83 D84 D85 D86 D87 D88 D89 D90 D91 D92 D93 D94 D95 D96 D97 D98 D99 D100 D101 D102 D103 D104 D105 D106 D107: library part Diode, "Default Diode"
FUSB FUSB2: library part FU
HC-1: library part HC-04
JTAG_SW UART5 USART1 USART3: library part HDR1x4_卧
Q1 Q2 Q3: library part 2N7002,215
R1 R2 R3 R4 R5 R6 R7 R8 R9 R10 R11 R12 R13 R17 R18 R19 R20 R21 R22 R23 R24: "Resistor"
R14 R15 R16: library part "R 0603_L", "Resistor"
REST SRES: "Switch"
Y1: library part "3325 12Mhz", "3325 12MHZ 无源晶振"

## Via types
v1: diameter 20, hole 10, Top Layer to Bottom Layer, 1072 vias
v2: diameter 24.02, hole 12.01, Top Layer to Bottom Layer, 310 vias
v3: diameter 20, hole 10, Top Layer to Bottom Layer, tented both sides, 30 vias

## Nets (pads, with @x,y where several pads share a name; then routed paths per layer and width w, separated by ;. In a path a pad name is that pad's centre, name@x,y a point inside that pad or via, vN(x,y) a via of type N, cw(c..) or ccw(c..) an arc to the next point about the centre after c; other vN are vias at no path point)
BUTTON_AD(PA3): OLED.1 U1.17 | length 6757.2
  Top Layer w10: v2(15403,7430.12) 15403,6032 15607.24,5827.76 15607.24,5639.24 15634.48,5612 15923,5612 16077,5458 16077,5351 16100,5328 16200,5328 16281,5409 16281,5573 16110,5744 16110,5860 16127.12,5877.12 16325.75,5877.12 16353.24,5849.63 16353.24,5680 16379.61,5653.62 16445.26,5653.62 16487.86,5696.22 16487.86,5768.86 16547.36,5828.36 U1.17@16547.36,5861.5 ; OLED.1@17958.42,7285 v2(17958.42,7388)
  Bottom Layer w10: v2(15403,7430.12) 15902,7430.12 17914.67,7431.76 v2(17958.42,7388)
CAN2_RX(PB5): J1.4 U1.57 | length 2138.7
  Top Layer w10: v2(16255,6577) J1.4@16255,6623.46 ; U1.57@16685.16,6298.5 16685.16,6252.21 v2(16729,6208.37)
  Bottom Layer w10: v2(16255,6577) 16255,6345 16282.5,6317.5 16407.23,6317.5 16639.72,6550 17079.88,6550 17089.88,6540 17089.88,6500.12 16777.12,6500.12 16679,6402 16679,6325 16724,6280 16769,6280 16789,6260 16789,6228.37 16769,6208.37 v2(16729,6208.37)
CAN2_TX(PB6): J1.1 U1.58 | length 1242.6
  Top Layer w10: J1.1@16105,6623.46 16105,6580 16138.11,6546.89 16378.89,6546.89 16432,6600 16432,6757 16473,6798 16545,6798 16545,6669.53 16665.47,6549.06 U1.58@16665.47,6298.5
CAN_H: CAN1.2 J1.7 R8.2 | length 455.4
  Top Layer w10: CAN1.2@16130,7285 16130,7032.56 R8.2@16132.5,7030.06 16145,7017.56 16145,6850 J1.7@16155,6840
CAN_L: CAN1.1 J1.6 R8.1 | length 455.7
  Top Layer w10: CAN1.1@16179.21,7285 16179.21,7037.79 R8.1@16187,7030 16195,7022 16195,6850 J1.6@16205,6840
DIN_1_1: F12.4 ~.6 | length 12145.2
  Top Layer w10: v2(2552,5483) 2552,5651 4322,7421 12621.53,7421 v2(13378,6664.53)
  Bottom Layer w10: v2(2552,5483) 2559.53,5475.47 ~.6@2602.8,5475.47 ; F12.4@13327.2,6664.53 v2(13378,6664.53)
DIN_2_1: \.4 CAPS.6 | length 11134.6
  Top Layer w10: v2(13099,4196) 13099,4483.16 13118,4502.16 13118,4720 v2(13188,4790)
  Bottom Layer w10: CAPS.6@2887.8,3980.47 2850,3980.47 2837,3993.47 2837,4080 2941,4184 7645,4184 7649,4188 13091,4188 v2(13099,4196) ; \.4@13137.2,4789.53 13187.53,4789.53 v2(13188,4790)
DIN_3_1: LCTRL.6 RSHIFT.4 | length 11547.8
  Bottom Layer w10: LCTRL.6@2697.8,2480.47 2647,2480.47 2440,2687.47 2440,2843 3134,3537 4894,3537 4978,3621 4978,3675.19 4998.81,3696 5549,3696 5588,3657 5647,3657 5651.09,3652.91 5700.72,3652.91 5736.81,3689 6363.19,3689 6399.28,3652.91 6450.72,3652.91 6475.81,3678 7129.19,3678 7154.28,3652.91 7205.72,3652.91 7230.81,3678 7874.19,3678 7899.28,3652.91 7950.72,3652.91 7975.81,3678 8629.19,3678 8654.28,3652.91 8705.72,3652.91 8739.81,3687 9370.19,3687 9404.28,3652.91 9455.72,3652.91 9480.81,3678 10129.19,3678 10154.28,3652.91 10205.72,3652.91 10230.81,3678 10879.19,3678 10904.28,3652.91 10955.72,3652.91 10980.81,3678 11629.19,3678 11705.72,3601.48 11705.72,3495 11774.72,3426 12184,3426 12268,3342 12634,3342 12656,3320 12656,3289.53 RSHIFT.4@12672.2,3289.53
DIN_3_2: DEL.6 PGUP.4 | length 2806.6
  Top Layer w10: v2(13992,4739) 13992,4882 14238,5128 14238,5249 14248,5259 v2(14248,5709)
  Bottom Layer w10: v2(13992,4739) 13992,4730.47 DEL.6@14042.8,4730.47 ; v2(14248,5709) 15700.63,5709 15739,5670.63 15739,5534.53 PGUP.4@15767.2,5534.53
DIN_3_3: N9.4 NPLUS.6 | length 826.1
  Top Layer w10: v2(18467,4789.53) 18467,4625.47 v2(18712,4380.47)
  Bottom Layer w10: N9.4@18202.2,4789.53 v2(18467,4789.53) ; v2(18712,4380.47) NPLUS.6@18762.8,4380.47
DIN_3V3_1(PB7): Q1.2 R11.1 U1.59 | length 4914.5
  Top Layer w10: Q1.2@13710.28,6082.4 13758.19,6082.4 R11.1@13770,6070.59 v2(13959.41,6070.59) ; v2(15487,6055) 15487,6394 15546,6453 v2(15546,7212) ; v3(16598.37,6561.64) 16645.79,6514.21 U1.59@16645.79,6298.5 ; v2(16615,7056) 16612,7053 16612,6912.44 16645,6879.44 v2(16645,6608.27)
  Bottom Layer w10: v2(13959.41,6070.59) 13975,6055 v2(15487,6055) ; v2(15546,7212) 16459,7212 v2(16615,7056) ; v3(16598.37,6561.64) v2(16645,6608.27)
DIN_3V3_2(PB8): Q2.2 R13.1 U1.61 | length 3314
  Top Layer w10: R13.1@13770,5830.59 13760.59,5840 13712,5840 Q2.2@13710,5840 13710,5875 13733,5898 v2(13770,5898) ; v2(16591,6243) 16606.42,6258.42 U1.61@16606.42,6298.5
  Bottom Layer w10: v2(13770,5898) 16007,5898 16040,5865 16180.92,5865 16203.68,5887.76 16203.68,5936.04 16234.19,5966.56 16234.19,6076.1 16272.69,6114.6 16296.38,6114.6 16316.38,6134.61 16392.61,6134.61 16501,6243 v2(16591,6243)
DIN_3V3_3(PB9): Q3.2 R20.1 U1.62 | length 3580
  Top Layer w10: v2(13677,5948) 13677,5673 13706,5644 Q3.2@13706,5602.4 ; Q3.2@13705.28,5602.4 Q3.2@13706,5602.4 ; R20.1@13765,5590.59 13753.19,5602.4 Q3.2@13706,5602.4 ; U1.62@16586.73,6298.5 16586.73,6370.73 v2(16587,6371)
  Bottom Layer w10: v2(13677,5948) 13841,6112 15886.31,6112 16073.94,6299.63 16414.63,6299.63 16486,6371 v2(16587,6371)
DIN_5V0_1: ESC.6 Q1.3 R9.1 | length 11427.7
  Top Layer w10: v2(13520.59,6088) R9.1@13520.59,6050 13614.72,6050 Q1.3@13619.72,6045
  Bottom Layer w10: ESC.6@2602.8,6610.47 2619,6610.47 2619,6360 2659.72,6319.28 2802.91,6319.28 2839.28,6282.91 2890.72,6282.91 2899.81,6292 3921,6292 4049,6164 7546,6164 7622,6088 v2(13520.59,6088)
DIN_5V0_2: Q2.3 R12.1 TAB.6 | length 12075
  Top Layer w10: v2(13359,5083) 13648,5372 13648,5613 13623,5638 13623,5802.6 Q2.3@13619.45,5802.6 13617.04,5805 R12.1@13530.59,5805
  Bottom Layer w10: TAB.6@2787.8,4730.47 2750,4730.47 2710,4770.47 2710,4892 2742,4924 10230,4924 10261,4893 13386,4893 13401.37,4908.37 13401.37,5034.63 13359,5077 v2(13359,5083)
DIN_5V0_3: LSHIFT.6 Q3.3 R19.1 | length 12603.2
  Top Layer w10: v2(3022,3230.47) 3022,3607 2907,3722 2907,4214.19 3528,4835.19 v2(3528,4984) ; v2(13271,5184) 13546.18,5459.18 R19.1@13546.18,5560 13614.72,5560 Q3.3@13614.72,5565
  Bottom Layer w10: v2(3022,3230.47) LSHIFT.6@3072.8,3230.47 ; v2(3528,4984) 9054,4984 9243,5173 9564.19,5173 9589.28,5147.91 9640.72,5147.91 9665.81,5173 10286,5173 10302,5157 10332,5157 10341.09,5147.91 10390.72,5147.91 10415.81,5173 11064.19,5173 11089.28,5147.91 11140.72,5147.91 11170.81,5178 11814.19,5178 11839.28,5152.91 11890.72,5152.91 11910.81,5173 12939.19,5173 12965.19,5147 13014.81,5147 13051.81,5184 v2(13271,5184)